# Allegro board 08_041351d.brd (continued)
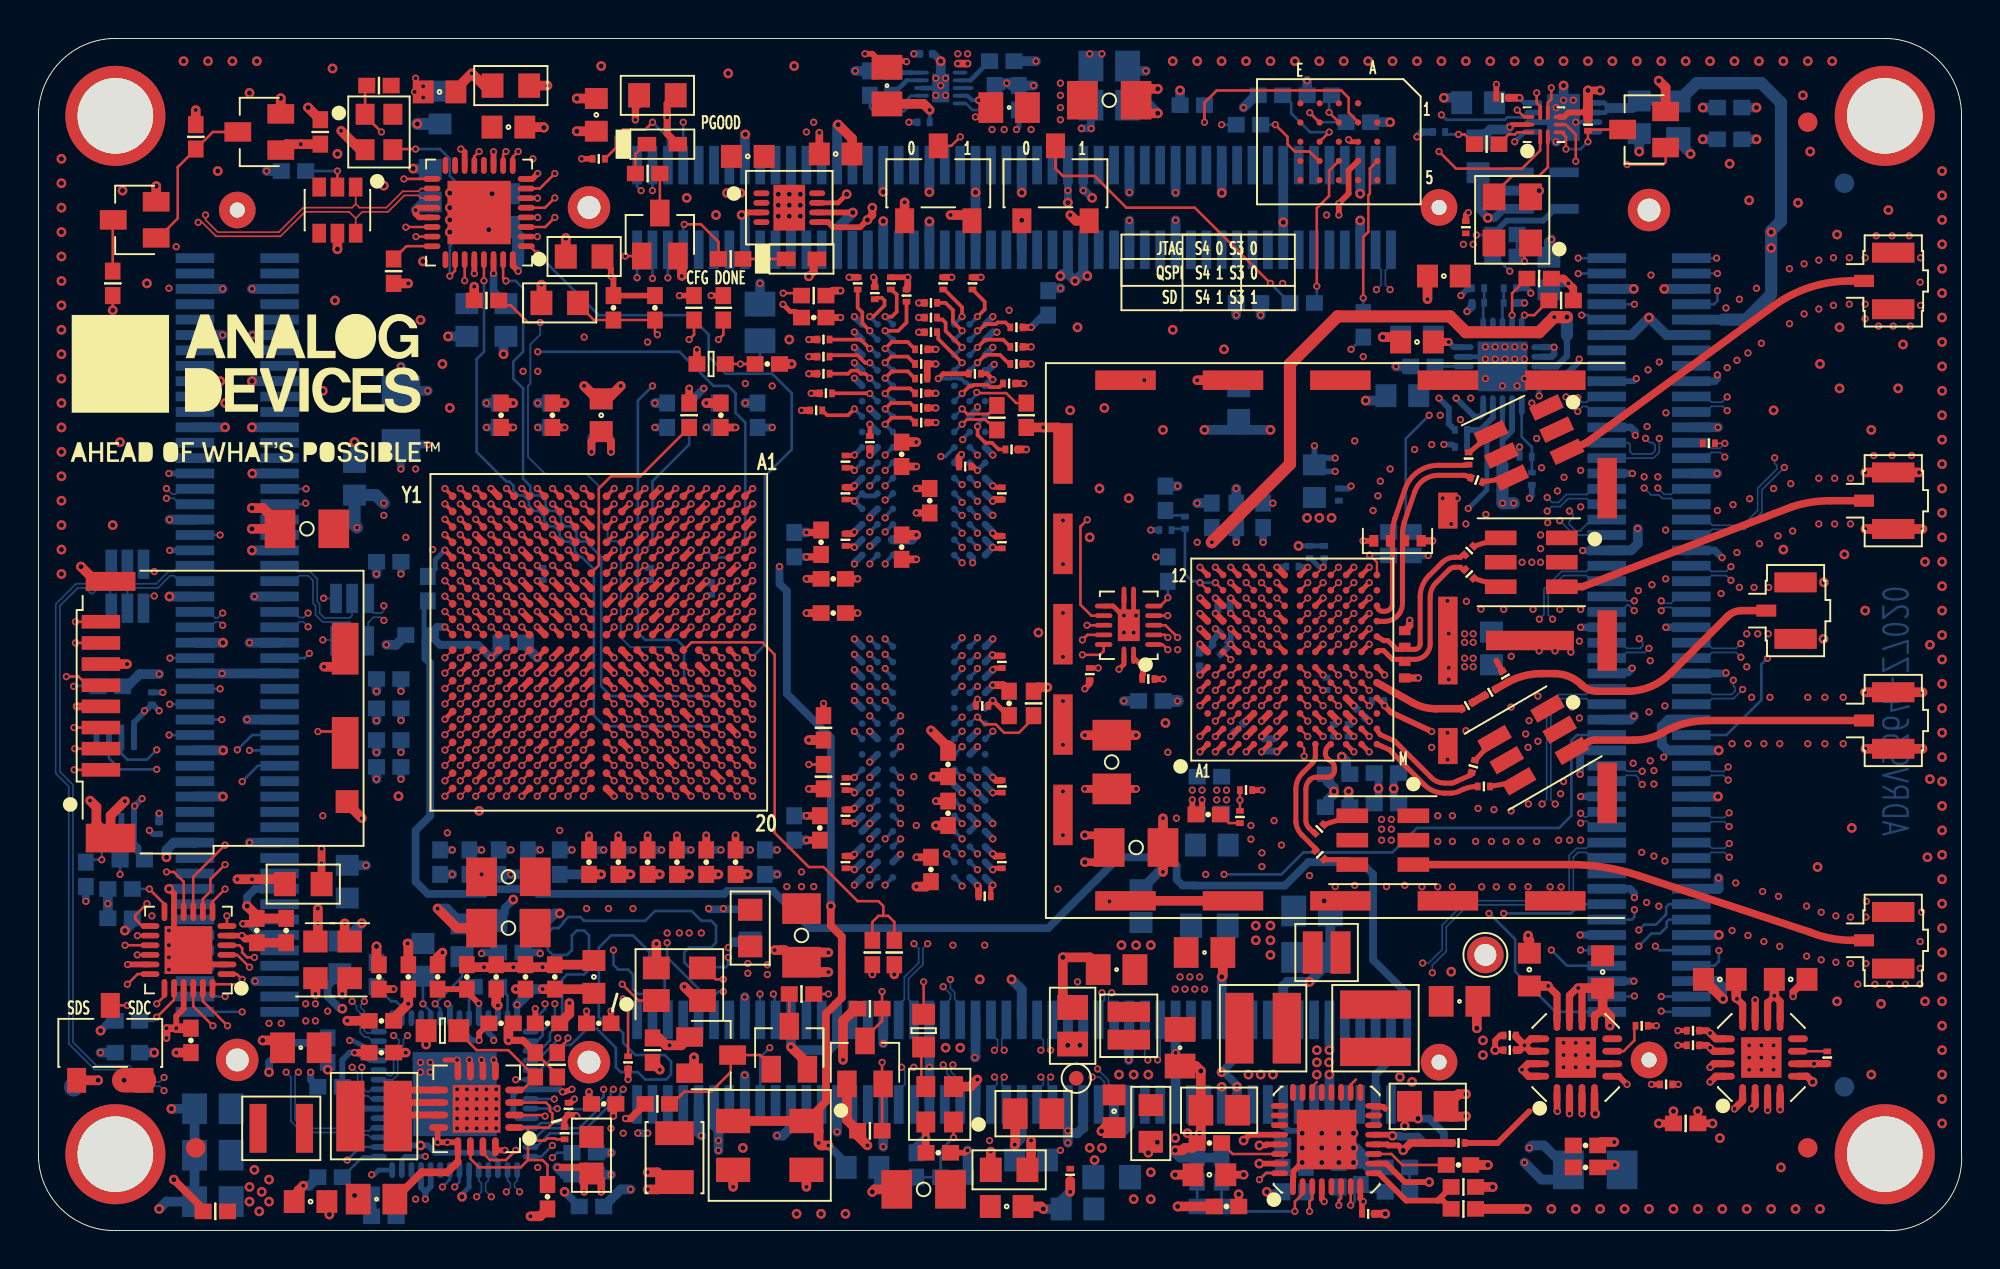
[diagram p0: board, top side]
## Routing (per net, layer and track width the routed paths; a pad name or vN(x,y) marks a point on that pad's centre or on a via; arc(x,y) is an arc through that point) (continued)
IO_L01_34_JX4_N: length 81.4
  TOP w0.089: U1.T10 v1(24.34,31.39)
  L4_SIGNAL w0.089: v1(87.81,42.64) 88.73,42.64 90.67,44.58 90.67,46.38 90.14,46.91 71.38,46.91 65.22,40.75 60.15,40.75 51.07,31.67 42.16,31.67 41.46,30.96 24.76,30.96 v1(24.34,31.39)
  BOTTOM w0.089: v1(87.81,42.64) 87.59,42.86 86.99,42.86 86.7,42.57 JX4.21
IO_L01_34_JX4_P: length 81.3
  TOP w0.089: U1.T11 v1(24.34,29.79)
  L4_SIGNAL w0.089: v1(87.81,43.35) 88.27,42.89 88.62,42.89 90.41,44.69 90.41,46.27 90.03,46.65 71.49,46.65 65.33,40.49 60.25,40.49 51.17,31.41 42.27,31.41 41.56,30.71 24.71,30.71 24.34,30.33 v1(24.34,29.79)
  BOTTOM w0.089: JX4.19 86.7,43.37 86.99,43.08 87.54,43.08 v1(87.81,43.35)
IO_L01_35_RX_D0_N: length 56.2
  TOP w0.089: U1.B20 v1(36.34,22.59) ; U17.K11 v1(68.4,33.69)
  L6_SIGNAL w0.089: v1(68.4,33.69) 68.79,34.09 68.79,35.31 67.67,36.43 58.31,36.43 57.98,36.09 57.59,36.09 55.55,34.05 55.55,28.47 51.04,23.96 51.04,18.59 48.76,16.3 41.12,16.3 39.91,17.51 36.99,17.51 36.32,18.17 36.32,19.93 35.87,20.39 35.87,20.86 36.34,21.33 v1(36.34,22.59)
IO_L01_35_RX_D0_P: length 56.2
  TOP w0.089: U1.C20 v1(35.54,22.59) ; U17.J12 v1(67.6,34.49)
  L6_SIGNAL w0.089: v1(35.54,22.59) 35.81,22.32 35.99,22.32 36.08,22.23 36.08,21.43 35.61,20.97 35.61,20.29 36.07,19.83 36.07,18.07 36.88,17.25 39.8,17.25 41.01,16.05 48.86,16.05 51.3,18.48 51.3,23.86 55.81,28.37 55.81,33.95 57.7,35.84 58.08,35.84 58.42,36.18 67.57,36.18 68.54,35.2 68.54,34.95 68.42,34.83 67.93,34.83 v1(67.6,34.49)
IO_L02_34_JX4_N: length 89.9
  TOP w0.089: U1.U12 v1(23.54,28.99)
  L15_SIGNAL w0.089: v1(80.04,42.6) 80.22,42.79 80.22,42.93 80.35,43.06 80.67,43.06 81.06,42.67 81.06,42.13 80.85,41.92 76.79,41.92 76.54,41.67 69.11,41.67 65.85,44.94 54.77,44.94 50.7,49 42.72,49 41.96,48.24 40.69,48.24 39.55,47.1 33.45,47.1 31.42,45.07 28.52,45.07 27.25,43.8 21.16,43.8 18.15,40.79 18.15,38.84 19.69,37.31 19.69,31.42 20.98,30.12 23,30.12 23.13,29.99 23.13,28.74 23.25,28.62 23.43,28.62 23.54,28.72 v1(23.54,28.99)
  BOTTOM w0.089: v1(80.04,42.6) 80.29,42.86 80.52,42.86 80.81,42.57 JX4.22
IO_L02_34_JX4_P: length 89.8
  TOP w0.089: U1.T12 v1(24.34,28.99)
  L15_SIGNAL w0.089: v1(80.04,43.31) 80.78,43.31 81.32,42.78 81.32,42.02 80.96,41.66 76.89,41.66 76.65,41.42 69.01,41.42 65.74,44.69 54.66,44.69 50.6,48.75 42.83,48.75 42.07,47.99 40.8,47.99 39.65,46.84 33.56,46.84 31.53,44.81 28.63,44.81 27.36,43.54 21.26,43.54 18.4,40.69 18.4,38.95 19.94,37.41 19.94,31.53 21.09,30.38 23.1,30.38 23.35,30.13 23.81,30.13 23.93,30.01 23.93,29.14 24.08,28.99 v1(24.34,28.99)
  BOTTOM w0.089: v1(80.04,43.31) 80.28,43.07 80.51,43.07 80.81,43.37 JX4.20
IO_L02_35_RX_D1_N: length 39.7
  TOP w0.089: U17.K10 v1(68.4,32.89) ; U1.A20 v1(37.14,22.59)
  L3_SIGNAL w0.089: v1(68.4,32.89) 68.4,32.62 68.27,32.49 67.39,32.49 67.17,32.28 67.17,30.27 66.92,30.02 66.39,30.02 64.76,28.39 64.76,27.98 64.51,27.73 60.24,27.73 59.98,27.98 55.24,27.98 51.77,24.52 44.41,24.52 43.63,25.29 42.45,25.29 40.62,23.47 37.59,23.47 37.47,23.35 37.47,23.25 37.27,23.05 36.98,23.05 36.89,22.96 36.89,22.84 v1(37.14,22.59)
IO_L02_35_RX_D1_P: length 39.8
  TOP w0.089: v1(36.34,23.39) U1.B19 ; U17.J11 v1(67.6,33.69)
  L3_SIGNAL w0.089: v1(67.6,33.69) 67.87,33.69 68,33.57 68,33.39 67.87,33.26 67.36,33.26 67.17,33.07 67.17,32.68 66.98,32.49 66.66,32.49 66.35,32.18 66.35,30.33 64.57,28.56 60.29,28.56 59.97,28.24 55.13,28.24 51.67,24.77 44.52,24.77 43.74,25.55 42.34,25.55 40.52,23.72 37,23.72 36.76,23.48 36.76,23.23 36.71,23.18 36.54,23.18 v1(36.34,23.39)
IO_L03_34_JX4_N: length 114.5
  TOP w0.089: U1.V13 v1(22.74,28.19)
  L15_SIGNAL w0.089: v1(87.69,40.23) 88.1,40.23 88.18,40.3 88.18,40.48 88.06,40.6 87.35,40.6 87.26,40.68 86.89,40.68 86.2,41.38 86.2,45.03 84.63,46.59 82.09,46.59 80.44,48.24 79.05,48.24 78.03,49.26 74.62,49.26 72.59,51.29 30.51,51.29 27.65,48.43 18.06,48.43 14.02,44.39 14.02,39.92 14.72,39.22 14.72,37.07 13.58,35.92 13.58,29.7 15.86,27.41 19.48,27.41 20.18,26.71 20.63,26.71 20.88,26.97 22.15,26.97 22.34,27.16 22.34,27.5 22.62,27.78 23.07,27.78 23.18,27.89 23.18,28.06 23.05,28.19 v1(22.74,28.19)
  BOTTOM w0.089: JX4.27 86.7,40.17 86.99,40.46 87.45,40.46 v1(87.69,40.23)
IO_L03_34_JX4_P: length 115.1
  TOP w0.089: v1(23.54,28.19) 23.59,28.24 U1.U13 ; R53.1 v1(87.69,40.94)
  L15_SIGNAL w0.089: v1(87.69,40.94) 87,40.94 86.45,41.49 86.45,45.13 84.74,46.84 82.2,46.84 80.55,48.5 79.15,48.5 78.14,49.51 74.73,49.51 72.7,51.54 30.41,51.54 27.55,48.69 17.96,48.69 13.77,44.5 13.77,39.82 14.47,39.12 14.47,37.17 13.32,36.03 13.32,29.59 15.76,27.16 19.38,27.16 20.08,26.46 20.63,26.46 20.88,26.21 22.18,26.21 22.37,26.4 22.37,26.83 22.51,26.97 22.94,26.97 23.17,27.2 23.17,27.5 23.54,27.87 v1(23.54,28.19)
  BOTTOM w0.089: JX4.25 86.71,40.97 87,40.68 87.43,40.68 v1(87.69,40.94)
IO_L03_35_RX_D2_N: length 44.5
  TOP w0.089: U17.K9 v1(68.4,32.09) ; U1.D18 v1(34.74,24.19)
  L7_SIGNAL w0.089: v1(34.74,24.19) 35.06,24.19 35.4,23.85 35.55,23.85 35.87,23.53 35.87,23.38 36.2,23.05 36.35,23.05 36.67,22.73 36.67,22.58 37,22.25 37.09,22.25 37.13,22.21 39.77,22.21 39.82,22.16 40.18,22.16 40.38,21.95 41.94,21.95 42.29,22.3 42.57,22.3 42.66,22.21 42.99,22.21 43.09,22.3 43.37,22.3 43.46,22.21 44.59,22.21 44.69,22.3 44.97,22.3 45.06,22.21 46.31,22.21 46.52,22 46.8,22 47.01,22.21 47.79,22.21 47.89,22.3 48.17,22.3 48.26,22.21 48.59,22.21 48.69,22.3 48.97,22.3 49.14,22.12 51.41,22.12 55.42,26.14 55.42,27.79 56.06,28.43 57.22,28.43 58.24,29.45 59.11,29.45 59.74,30.08 59.74,32.49 59.99,32.74 59.99,32.96 60.26,33.23 67.77,33.23 68,33 68,32.49 v1(68.4,32.09)
IO_L03_35_RX_D2_P: length 44.5
  TOP w0.089: U1.E17 v1(33.94,24.99) ; U17.J10 v1(67.6,32.89)
  L7_SIGNAL w0.089: v1(67.6,32.89) 67.62,32.87 67.62,32.62 67.49,32.49 66.6,32.49 66.54,32.56 65.84,32.56 65.42,32.98 64.89,32.98 64.73,32.82 64.73,32.75 64.54,32.56 60.17,32.56 60,32.39 60,29.98 59.21,29.19 58.35,29.19 57.33,28.18 56.16,28.18 55.68,27.69 55.68,26.04 51.51,21.87 49.21,21.87 48.91,21.57 42.34,21.57 42.22,21.7 40.28,21.7 40.07,21.91 39.71,21.91 39.67,21.95 37.03,21.95 36.98,22 36.89,22 36.66,22.23 36.21,22.23 35.87,22.58 35.87,22.73 35.55,23.05 35.4,23.05 35.07,23.38 35.07,23.53 34.75,23.85 34.6,23.85 34.28,24.17 34.28,24.81 34.1,24.99 v1(33.94,24.99)
IO_L04_34_JX4_N: length 98.7
  TOP w0.089: U1.W13 v1(21.94,28.19)
  L15_SIGNAL w0.089: v1(84.28,41.2) 84.28,42.28 83.72,42.83 82.48,42.83 80.62,44.69 78.23,44.69 76.96,43.42 75.34,43.42 72.8,45.96 69.56,45.96 67.15,48.37 52.76,48.37 50.92,50.21 41.54,50.21 39.06,47.73 30.85,47.73 29.14,46.02 27.59,46.02 26.95,46.65 23.61,46.65 21.52,44.56 19.31,44.56 17.07,42.31 17.07,36.05 16.63,35.61 16.63,30.67 18.17,29.13 20.37,29.13 20.92,28.58 21.54,28.58 v1(21.94,28.19)
  BOTTOM w0.089: v1(84.28,41.2) 84.28,40.47 83.98,40.17 JX4.28
IO_L04_34_JX4_P: length 98.7
  TOP w0.089: U1.V12 v1(22.74,28.99)
  L15_SIGNAL w0.089: v1(22.74,28.99) 22.34,29.38 18.28,29.38 16.88,30.78 16.88,35.5 17.32,35.94 17.32,42.21 19.42,44.3 21.62,44.3 23.72,46.4 26.85,46.4 27.48,45.76 29.24,45.76 30.96,47.48 39.17,47.48 41.64,49.96 50.81,49.96 52.65,48.11 67.04,48.11 69.46,45.7 72.7,45.7 75.24,43.16 77.07,43.16 78.34,44.43 80.52,44.43 82.37,42.58 83.62,42.58 84.02,42.17 84.02,41.51 83.9,41.39 83.76,41.39 v1(83.57,41.2)
  BOTTOM w0.089: v1(83.57,41.2) 83.78,40.98 83.92,40.98 84.06,40.84 84.06,40.56 83.89,40.39 82.88,40.39 82.76,40.51 82.76,40.88 82.67,40.97 JX4.26
IO_L04_35_RX_D3_N: length 43.9
  TOP w0.089: U17.K8 v1(68.4,31.29) ; U1.D20 v1(34.74,22.59)
  L3_SIGNAL w0.089: v1(68.4,31.29) 68.38,31.31 68.38,31.6 68.51,31.73 68.63,31.73 68.76,31.6 68.76,30.03 68.67,29.94 68.22,29.94 67.72,29.45 67.36,29.45 67.13,29.22 67.13,28.75 66.92,28.55 66.48,28.55 66.33,28.39 66.33,27.95 66.14,27.76 65.7,27.76 64.73,26.79 64.73,26.35 64.52,26.14 63.43,26.14 63.17,25.89 63.17,24.79 62.49,24.11 59.15,24.11 56.86,21.83 49.16,21.83 48.97,21.63 44.69,21.63 44.49,21.83 43.56,21.83 43.37,21.63 42.29,21.63 42.09,21.83 41.09,21.83 40.59,22.33 38.89,22.33 38.26,21.7 35.76,21.7 35.49,21.97 35.49,22.16 35.33,22.32 35.18,22.32 35.06,22.2 34.85,22.2 34.74,22.32 v1(34.74,22.59)
IO_L04_35_RX_D3_P: length 43.9
  TOP w0.089: U17.J9 v1(67.6,32.09) ; U1.D19 v1(34.74,23.39)
  L3_SIGNAL w0.089: v1(34.74,23.39) 35.16,22.97 35.75,22.97 35.94,22.78 35.94,22.46 35.74,22.26 35.74,22.08 35.87,21.95 38.15,21.95 38.79,22.59 40.69,22.59 41.2,22.08 42.06,22.08 42.29,22.3 44.97,22.3 45.16,22.1 45.16,22.02 45.25,21.93 47.51,21.93 47.89,22.3 48.98,22.3 49.2,22.08 56.76,22.08 59.04,24.37 62.16,24.37 62.41,24.62 62.41,26.58 62.66,26.83 64.41,26.83 65.33,27.75 65.33,28.18 65.71,28.56 66.14,28.56 66.33,28.75 66.33,29.18 66.85,29.7 67.62,29.7 68.06,30.14 68.06,31.63 v1(67.6,32.09)
IO_L05_34_JX4_N: length 91.3
  TOP w0.089: U1.T15 v1(24.34,26.59)
  L3_SIGNAL w0.089: v1(63.62,19.64) 63.41,19.44 63.41,19.31 63.29,19.18 62.68,19.18 62.23,18.73 62.23,17.73 61.95,17.44 56.63,17.44 55.48,16.29 32.11,16.29 31.8,15.98 25.16,15.98 23.7,17.44 23.7,22.14 23.94,22.38 23.94,26.79 24.1,26.95 24.27,26.95 24.34,26.89 v1(24.34,26.59)
  L13_SIGNAL w0.089: v1(63.62,19.64) 63.84,19.41 63.84,19.27 63.93,19.18 70.86,19.18 71.17,19.49 71.17,21.19 77.08,27.1 77.08,33.06 78.11,34.09 82.07,34.09 83.95,35.97 83.95,38.3 83.82,38.42 83.68,38.42 v1(83.49,38.61)
  BOTTOM w0.089: JX4.33 85.22,37.77 84.93,38.07 84.44,38.07 84.25,38.26 83.85,38.26 v1(83.49,38.61)
IO_L05_34_JX4_P: length 91.2
  TOP w0.089: U1.T14 v1(24.34,27.39)
  L3_SIGNAL w0.089: v1(63.62,18.93) 62.79,18.93 62.49,18.63 62.49,17.62 62.05,17.19 56.74,17.19 55.58,16.03 32.21,16.03 31.91,15.73 25.06,15.73 23.45,17.34 23.45,22.14 23.14,22.45 23.14,26.8 23.33,26.99 23.79,26.99 24.01,27.22 v1(24.34,27.39)
  L13_SIGNAL w0.089: v1(63.62,18.93) 70.97,18.93 71.43,19.39 71.43,21.09 77.33,26.99 77.33,32.96 78.21,33.84 82.17,33.84 84.2,35.87 v1(84.2,38.61)
  BOTTOM w0.089: JX4.31 85.19,38.57 84.9,38.28 84.53,38.28 v1(84.2,38.61)
IO_L05_35_RX_D4_N: length 41.2
  TOP w0.089: U1.E19 v1(33.94,23.39) ; U17.K7 v1(68.4,30.49)
  L4_SIGNAL w0.089: v1(33.94,23.39) 33.94,23.45 34.22,23.73 37.26,23.73 37.58,24.05 39.27,24.05 40.03,24.81 43.3,24.81 44.15,23.96 63.14,23.96 63.96,24.78 63.96,25.89 64.19,26.12 64.52,26.12 64.73,26.33 64.73,26.59 64.99,26.84 64.99,28.72 65.58,29.32 66.78,29.32 67.51,30.06 67.96,30.06 v1(68.4,30.49)
IO_L05_35_RX_D4_P: length 41.1
  TOP w0.089: U17.J8 v1(67.6,31.29) ; U1.E18 v1(33.94,24.19)
  L4_SIGNAL w0.089: v1(33.94,24.19) 33.94,24.21 34.34,24.62 37.26,24.62 37.58,24.3 39.16,24.3 39.93,25.06 43.4,25.06 44.25,24.21 63.03,24.21 63.25,24.43 63.25,25.82 63.46,26.03 63.61,26.03 64.03,26.46 64.03,26.65 64.21,26.83 64.44,26.83 64.73,27.12 64.73,28.83 65.48,29.57 66.67,29.57 67.26,30.16 67.26,30.96 v1(67.6,31.29)
IO_L06_13_JX2_P: length 59.2
  TOP w0.127: U1.V5 v1(22.74,35.39)
  L4_SIGNAL w0.095: v1(38.03,9.51) 38.03,9.7 36.25,11.47 36.25,13.06 35.29,14.01 35.29,15.35 34.79,15.86 33.45,15.86 33.07,16.24 32.12,16.24 31.29,15.41 26.09,15.41 25.2,16.3 17.58,16.3 17.39,16.49 15.48,16.49 13.51,18.46 13.51,33 15.55,35.03 22.4,35.03 22.74,35.36 v1(22.74,35.39)
  BOTTOM w0.14: JX2.18 37.53,9.01 v1(38.03,9.51)
IO_L06_34_JX4_N: length 80.2
  TOP w0.089: U1.R14 v1(25.14,27.39)
  L3_SIGNAL w0.089: v1(25.14,27.39) 25.14,27.35 24.74,26.96 24.74,23.98 24.93,23.79 25.34,23.79 25.54,23.6 25.54,21.12 26.44,20.22 27.98,20.22 29.12,19.08 40.3,19.08 42.09,17.29 50.64,17.29 51.62,18.27 54.89,18.27 55.71,19.08 58.91,19.08 60.38,20.56 62.84,20.56 v1(63.04,20.35)
  L13_SIGNAL w0.089: v1(63.04,20.35) 63.25,20.56 65.08,20.56 66.28,21.76 70.52,21.76 71.3,22.55 71.3,25.91 72.23,26.84 74.14,26.84 75.74,28.45 75.74,35.29 78.07,37.62 78.25,37.62 v1(78.45,37.42)
  BOTTOM w0.089: JX4.34 80.79,37.77 80.5,38.06 79.54,38.06 79.12,37.65 78.69,37.65 v1(78.45,37.42)
IO_L06_34_JX4_P: length 80.2
  TOP w0.089: U1.P14 v1(25.94,27.39)
  L3_SIGNAL w0.089: v1(25.94,27.39) 25.54,26.99 25.54,23.98 25.71,23.81 26.14,23.81 26.34,23.61 26.34,22.33 26.19,22.18 25.93,22.18 25.8,22.04 25.8,21.23 26.55,20.47 28.09,20.47 29.22,19.34 40.4,19.34 42.19,17.55 50.53,17.55 51.51,18.52 54.79,18.52 55.6,19.34 58.8,19.34 60.28,20.81 62.79,20.81 v1(63.04,21.06)
  L13_SIGNAL w0.089: v1(78.45,38.13) 78.19,37.87 77.97,37.87 75.49,35.39 75.49,28.56 74.03,27.1 72.12,27.1 71.05,26.02 71.05,22.65 70.41,22.02 66.18,22.02 64.97,20.81 63.3,20.81 v1(63.04,21.06)
  BOTTOM w0.089: JX4.32 80.81,38.57 80.51,38.28 79.45,38.28 79.03,37.87 78.71,37.87 v1(78.45,38.13)
IO_L06_35_RX_D5_N: length 46.3
  TOP w0.089: U17.J7 v1(67.6,30.49) ; v1(33.14,24.99) U1.F17
  L7_SIGNAL w0.089: v1(67.6,30.49) 67.18,30.08 65.82,30.08 65.56,29.83 63.28,29.83 63.02,29.57 62.35,29.57 62.14,29.36 61.86,29.36 61.64,29.57 60.48,29.57 57.96,27.05 57.96,25.02 54.77,21.83 53.27,21.83 51.61,20.17 50.15,20.17 50,20.03 47.89,20.03 47.74,20.17 45.14,20.17 44.99,20.03 43.09,20.03 42.94,20.17 42.19,20.17 41.56,19.54 39.55,19.54 38.03,21.06 36.37,21.06 35.87,21.57 33.6,21.57 32.8,22.37 32.8,24.51 32.69,24.62 32.69,24.87 32.82,25 33.12,25 v1(33.14,24.99)
IO_L06_35_RX_D5_P: length 46.2
  TOP w0.089: U17.H8 v1(66.8,31.29) ; v1(33.14,25.79) U1.F16
  L7_SIGNAL w0.089: v1(33.14,25.79) 33.17,25.79 33.58,25.38 33.58,22.46 33.45,22.33 33.45,22.08 33.71,21.83 35.97,21.83 36.48,21.32 38.13,21.32 39.65,19.79 41.45,19.79 42.09,20.43 42.81,20.43 43.09,20.7 44.99,20.7 45.26,20.43 47.61,20.43 47.89,20.7 49.82,20.7 50.09,20.43 51.51,20.43 53.16,22.08 54.66,22.08 57.71,25.13 57.71,27.16 60.38,29.83 61.65,29.83 61.86,30.03 62.14,30.03 62.34,29.83 62.92,29.83 63.17,30.08 65.46,30.08 65.65,30.27 65.65,30.67 65.89,30.91 66.41,30.91 v1(66.8,31.29)
IO_L07_34_JX4_N: length 131.8
  TOP w0.089: v1(21.14,24.99) 21.14,24.99 21.54,25.38 U1.Y17
  L15_SIGNAL w0.089: v1(21.14,24.99) 20.14,24.99 19.5,25.64 16.18,25.64 12.56,29.25 12.56,47.1 16.75,51.29 24.67,51.29 25.62,50.34 27.87,50.34 30.66,53.13 34,53.13 34.89,52.24 40.12,52.24 40.63,52.75 40.63,54.02 41.64,55.04 84.82,55.04 90.35,49.51 90.35,46.97 91.37,45.96 91.37,40.27 v1(90.78,39.68)
  BOTTOM w0.089: JX4.37 86.74,36.17 87.03,36.46 88.72,36.46 89.61,37.36 89.61,38.52 v1(90.78,39.68)
IO_L07_34_JX4_P: length 131.9
  TOP w0.089: U1.Y16 v1(21.14,25.79)
  L15_SIGNAL w0.089: v1(90.28,40.19) 90.57,40.19 90.66,40.1 90.83,40.1 91.11,40.38 91.11,45.85 90.1,46.87 90.1,49.41 84.72,54.78 41.75,54.78 40.88,53.91 40.88,52.64 40.23,51.99 34.79,51.99 33.9,52.88 30.76,52.88 27.97,50.08 25.52,50.08 24.56,51.04 16.86,51.04 12.82,46.99 12.82,29.36 16.29,25.89 19.6,25.89 20.25,25.24 20.78,25.24 20.93,25.39 21.44,25.39 21.55,25.51 21.55,25.69 21.45,25.79 v1(21.14,25.79)
  BOTTOM w0.089: v1(90.28,40.19) 90.28,39.9 90.39,39.78 90.39,39.6 89.4,38.61 89.4,37.45 88.63,36.68 87.04,36.68 86.75,36.97 JX4.35
IO_L07_35_RX_FRAME_N: length 71.1
  TOP w0.089: U1.M20 v1(27.54,22.59) ; U17.G7 v1(66,30.49)
  L12_SIGNAL w0.089: v1(27.54,22.59) 27.48,22.64 27.48,22.84 27.87,23.22 27.99,23.22 28.12,23.1 28.12,22.85 27.99,22.72 27.99,22.46 27.74,22.21 27.61,22.21 27.45,22.05 27.45,21.58 28.12,20.91 28.12,20.56 30.79,17.89 33.43,17.89 34.51,16.81 34.51,16.61 34.71,16.41 34.91,16.41 35.97,15.35 36.73,15.35 37.56,14.52 37.56,13.12 37.75,12.94 41.73,12.94 43.25,14.46 52.27,14.46 52.86,15.04 54.97,15.04 57.3,17.38 65.93,17.38 68.4,19.84 70.72,19.84 71.68,20.8 71.68,27.67 70.33,29.01 70.33,29.03 70.14,29.23 67.03,29.23 66.82,29.23 66.22,29.83 65.71,29.83 65.58,29.95 65.58,30.33 65.71,30.46 65.97,30.46 v1(66,30.49)
IO_L07_35_RX_FRAME_P: length 71.1
  TOP w0.089: U1.M19 v1(27.54,23.39) ; U17.G8 v1(66,31.29)
  L12_SIGNAL w0.089: v1(66,31.29) 66.02,31.29 66.46,30.85 66.46,30.35 66.47,30.34 66.47,29.93 66.92,29.48 70.24,29.48 70.59,29.14 70.59,29.12 71.93,27.77 71.93,20.69 70.83,19.59 68.5,19.59 66.04,17.13 57.41,17.13 55.07,14.79 52.96,14.79 52.38,14.21 43.36,14.21 41.84,12.68 37.64,12.68 37.31,13.02 37.31,14.41 36.63,15.09 35.87,15.09 34.81,16.16 34.61,16.16 34.26,16.5 34.26,16.7 33.33,17.63 30.68,17.63 27.87,20.45 27.87,20.81 27.2,21.48 27.2,23.06 27.52,23.39 v1(27.54,23.39)
IO_L08_34_JX4_N: length 113.8
  TOP w0.089: U1.Y14 v1(21.14,27.39)
  L15_SIGNAL w0.089: v1(79.1,36.92) 79.26,36.76 79.72,36.3 80.29,36.3 80.82,36.83 80.82,38.46 82.27,39.91 84.76,39.91 85.42,40.57 85.42,42.84 84.49,43.77 82.73,43.77 79.53,46.97 73.97,46.97 73.08,47.86 73.08,49.77 72,50.84 31.55,50.84 28.63,47.92 21.41,47.92 19.67,46.18 17.32,46.18 15.29,44.16 15.29,29.13 15.93,28.49 19.82,28.49 20.79,27.53 v1(21.14,27.39)
  BOTTOM w0.089: JX4.38 79.85,36.17 v1(79.1,36.92)
IO_L08_34_JX4_P: length 113.7
  TOP w0.089: U1.W14 v1(21.94,27.39)
  L15_SIGNAL w0.089: v1(79.61,37.42) 79.79,37.24 79.79,37.06 79.64,36.91 79.64,36.73 79.82,36.56 80.19,36.56 80.57,36.94 80.57,38.57 82.17,40.16 84.66,40.16 85.17,40.68 85.17,42.73 84.38,43.52 82.63,43.52 79.43,46.72 73.86,46.72 72.82,47.76 72.82,49.66 71.89,50.59 31.65,50.59 28.73,47.67 21.52,47.67 19.77,45.93 17.42,45.93 15.55,44.05 15.55,29.23 16.03,28.75 19.93,28.75 20.89,27.78 21.81,27.78 21.94,27.65 v1(21.94,27.39)
  BOTTOM w0.089: JX4.36 80.74,36.97 80.16,36.39 79.94,36.39 79.6,36.73 79.6,36.87 79.79,37.06 79.79,37.24 v1(79.61,37.42)
IO_L08_35_FB_CLK_N: length 66.4
  TOP w0.089: U17.G10 v1(66,32.89) ; U1.M18 v1(27.54,24.19)
  L6_SIGNAL w0.089: v1(66,32.89) 65.33,32.23 65.33,18.8 63.76,17.23 57.61,17.23 51.29,10.9 35.56,10.9 34.39,12.07 34.39,12.87 33.59,13.67 32.36,13.67 31.42,14.61 31.42,16.75 29.77,18.4 29.77,19.92 28.78,20.91 28.78,23.65 28.65,23.78 28.15,23.78 28,23.93 28,24.06 27.87,24.19 v1(27.54,24.19)
IO_L08_35_FB_CLK_P: length 66.3
  TOP w0.089: U1.M17 v1(27.54,24.99) ; U17.F10 v1(64.4,32.89)
  L6_SIGNAL w0.089: v1(64.4,32.89) 65.08,32.21 65.08,18.9 63.65,17.48 57.51,17.48 51.18,11.16 35.66,11.16 34.65,12.17 34.65,12.97 33.69,13.93 32.46,13.93 31.68,14.71 31.68,16.85 30.02,18.5 30.02,20.03 29.03,21.02 29.03,24.12 28.58,24.58 27.94,24.58 v1(27.54,24.99)
IO_L09_34_JX4_N: length 89.2
  TOP w0.089: U1.U17 v1(23.54,24.99)
  L7_SIGNAL w0.089: v1(23.54,24.99) 23.86,24.99 24.32,24.52 24.47,24.52 24.8,24.2 24.8,24.05 25.12,23.72 25.27,23.72 25.6,23.4 25.6,22.33 25.69,22.24 25.69,22.06 25.33,21.7 25.33,19.31 27.74,16.89 27.74,16.26 28.14,15.86 35.51,15.86 36.4,14.97 38.79,14.97 39.93,13.82 50.73,13.82 51.23,13.32 58.32,13.32 58.83,13.82 62.16,13.82 62.79,13.19 65.03,13.19 69.37,17.53 69.37,17.99 72,20.62 72,21.89 73.59,23.48 77.71,23.48 80,25.76 84.19,25.76 85.46,27.03 85.46,32.62 87.11,34.27 87.69,34.27 87.78,34.18 87.78,34.04 v1(88.01,33.82)
  BOTTOM w0.089: JX4.43 86.7,33.77 86.99,34.06 87.76,34.06 v1(88.01,33.82)
IO_L09_34_JX4_P: length 89.3
  TOP w0.089: U1.T16 v1(24.34,25.79)
  L7_SIGNAL w0.089: v1(24.34,25.79) 24.34,25.46 24.8,25 24.8,24.85 25.12,24.52 25.27,24.52 25.6,24.2 25.6,24.05 25.92,23.72 26.07,23.72 26.4,23.4 26.4,22.52 25.94,22.06 25.94,21.96 25.58,21.59 25.58,19.41 27.99,17 27.99,16.36 28.25,16.11 35.61,16.11 36.5,15.22 38.89,15.22 40.04,14.08 50.83,14.08 51.34,13.57 58.22,13.57 58.73,14.08 62.26,14.08 62.9,13.44 64.92,13.44 69.11,17.63 69.11,18.09 71.74,20.72 71.74,21.99 73.48,23.73 77.61,23.73 79.89,26.02 84.08,26.02 85.21,27.14 85.21,32.73 87.01,34.53 v1(88,34.53)
  BOTTOM w0.089: v1(88.01,34.53) 87.76,34.28 86.99,34.28 86.7,34.57 JX4.41
IO_L09_35_TX_FRAME_N: length 64.9
  TOP w0.089: U17.H9 v1(66.8,32.09) ; U1.L20 v1(28.34,22.59)
  L7_SIGNAL w0.089: v1(28.34,22.59) 28.33,22.59 27.99,22.59 27.87,22.46 27.87,22.21 27.99,22.08 28.52,22.08 28.67,21.93 28.67,21.15 29.73,20.09 29.73,18.44 30.99,17.18 35.94,17.18 37.52,15.6 58.01,15.6 59.03,16.62 65.27,16.62 69.04,20.39 69.04,23.59 70.85,25.4 70.85,30.72 70.16,31.41 69.65,31.41 69.33,31.73 67.43,31.73 67.06,32.09 v1(66.8,32.09)
IO_L09_35_TX_FRAME_P: length 65
  TOP w0.089: U17.G9 v1(66,32.09) ; U1.L19 v1(28.34,23.39)
  L7_SIGNAL w0.089: v1(66,32.09) 66.42,31.67 67.04,31.67 67.17,31.54 67.17,31.16 67.43,30.91 69.39,30.91 69.65,31.16 70.05,31.16 70.6,30.61 70.6,25.51 68.79,23.69 68.79,20.5 65.16,16.87 58.93,16.87 57.91,15.86 37.62,15.86 36.05,17.43 31.09,17.43 29.98,18.55 29.98,20.2 28.92,21.26 28.92,22.8 v1(28.34,23.39)
IO_L10_34_JX4_N: length 116
  TOP w0.089: U1.W15 v1(21.94,26.59)
  L12_SIGNAL w0.089: v1(78.73,31.79) 78.54,31.6 78.54,31.35 78.67,31.22 79.05,31.22 79.49,31.67 79.49,33.57 81.08,35.16 85.84,35.16 86.29,34.72 86.29,23.79 82.6,20.11 82.6,14.94 81.56,13.9 78.87,13.9 76.38,11.41 58.07,11.41 57.18,10.52 47.37,10.52 45.98,9.13 42.93,9.13 41.79,7.98 38.51,7.98 37.72,8.77 35.02,8.77 31.7,12.09 31.7,12.66 30.79,13.57 28.88,13.57 27.61,14.84 23.57,14.84 22.15,16.26 22.15,20.32 21.77,20.7 21.77,22.21 21.52,22.46 21.52,26.14 21.94,26.56 v1(21.94,26.59)
  BOTTOM w0.089: v1(78.73,31.79) 78.5,32.02 78.5,33.27 79.3,34.06 80.5,34.06 80.79,33.77 JX4.44
IO_L10_34_JX4_P: length 116.2
  TOP w0.089: U1.V15 v1(22.74,26.59)
  L12_SIGNAL w0.089: v1(22.74,26.59) 22.55,26.78 22.4,26.78 22.28,26.65 22.28,26.02 22.4,25.89 22.4,22.53 22.02,22.15 22.02,20.81 22.4,20.43 22.4,16.36 23.67,15.09 27.72,15.09 28.99,13.82 30.89,13.82 31.95,12.76 31.95,12.2 35.13,9.02 37.83,9.02 38.61,8.24 41.68,8.24 42.83,9.38 45.87,9.38 47.27,10.78 57.08,10.78 57.96,11.67 76.27,11.67 78.76,14.15 81.46,14.15 82.35,15.04 82.35,20.22 86.03,23.9 86.03,34.61 85.74,34.91 81.18,34.91 79.74,33.47 79.74,31.56 79.15,30.97 78.56,30.97 78.28,31.25 78.28,31.55 v1(78.04,31.79)
  BOTTOM w0.089: JX4.42 80.78,34.57 80.49,34.28 79.21,34.28 78.28,33.36 78.28,32.04 v1(78.04,31.79)
IO_L10_35_ENABLE: length 54.8
  TOP w0.127: U17.G6 v1(66,28.89) ; U1.K19 v1(29.94,23.39)
  L7_SIGNAL w0.095: v1(29.94,23.39) 29.52,22.97 29.52,21.83 30.52,20.82 30.52,19.17 30.79,18.9 34.34,18.9 35.23,18.02 36.5,18.02 38.15,16.36 41.39,16.36 42.03,17 54.03,17 56.38,19.35 56.38,20.11 60,23.73 66.03,23.73 67.49,25.19 67.87,25.19 68,25.32 68,29.13 67.81,29.32 66.42,29.32 v1(66,28.89)
IO_L10_35_SYNC_IN: length 49.1
  TOP w0.127: U17.H5 v1(66.8,28.09) ; U1.J19 v1(30.74,23.39)
  L7_SIGNAL w0.095: v1(66.8,28.09) 67.24,27.66 67.24,25.44 65.93,24.14 59.9,24.14 55.93,20.17 55.93,19.41 53.9,17.38 40.82,17.38 40.25,16.81 38.09,16.81 36.03,18.86 35.4,18.86 34.98,19.29 32.22,19.29 31.28,20.23 31.28,20.82 30.28,21.83 30.28,22.97 30.7,23.39 v1(30.74,23.39)
IO_L11_35_EN_AGC: length 54.6
  TOP w0.127: U17.G5 v1(66,28.09) ; U1.L16 v1(28.34,25.79)
  L13_SIGNAL w0.095: v1(28.34,25.79) 28.6,25.79 29.77,24.62 36.5,24.62 36.8,24.32 36.8,24.05 36.99,23.85 37.27,23.85 38.03,23.1 38.03,22.46 39.55,20.94 41.2,20.94 41.45,20.68 43.06,20.68 43.09,20.7 48.59,20.7 48.71,20.83 48.97,20.83 49.17,21.02 49.17,21.28 51.93,24.04 51.93,29.75 52.76,30.58 52.76,30.97 53.77,31.99 55.68,31.99 56.19,32.49 57.46,32.49 58.47,31.48 59.73,31.48 60.38,30.83 62.14,30.83 62.46,30.51 62.46,30.35 62.66,30.15 62.72,30.15 63.17,29.7 63.17,27.03 63.37,26.83 64.74,26.83 v1(66,28.09)
IO_L11_35_TXNRX: length 54.5
  TOP w0.127: U17.H4 v1(66.8,27.29) ; U1.L17 v1(28.34,24.99)
  L13_SIGNAL w0.095: v1(28.34,24.99) 28.66,24.99 29.79,23.85 36.38,23.85 36.8,23.44 36.8,23.25 36.99,23.05 37.18,23.05 37.64,22.59 37.64,22.46 39.59,20.51 39.59,20.16 39.79,19.96 40.14,19.96 40.44,19.67 41.2,19.67 41.46,19.93 48.45,19.93 49.22,20.7 49.81,20.7 51.49,22.38 51.49,23.22 52.5,24.24 52.5,27.1 52.93,27.53 52.93,30.26 53.77,31.1 55.3,31.1 55.68,31.48 57.71,31.48 58.01,31.18 59.37,31.18 59.57,30.98 59.57,30.76 60.25,30.08 60.25,29.52 60.74,29.03 60.74,28.83 61.14,28.43 61.34,28.43 61.54,28.23 61.54,28.03 61.94,27.63 62.14,27.63 62.34,27.43 62.34,27.23 62.74,26.83 62.94,26.83 63.14,26.63 63.14,26.43 63.43,26.14 64.82,26.14 65.58,26.91 66.41,26.91 v1(66.8,27.29)
IO_L11_SRCC_13_JX2_N: length 47.4
  TOP w0.089: U1.V7 v1(22.74,33.79)
  L15_SIGNAL w0.089: v1(22.74,33.79) 23.04,33.79 23.43,33.4 23.67,33.4 23.93,33.14 23.93,32.85 24.16,32.62 24.5,32.62 24.8,32.32 24.8,32.05 25.05,31.79 29.2,31.79 29.33,31.67 29.33,21.97 31.42,19.88 31.42,14.67 32,14.09 34.45,14.09 35.58,15.22 41.38,15.22 42.55,14.05 45.91,14.05 46.24,14.38 v1(46.24,14.92)
  BOTTOM w0.089: JX2.37 45.53,11.73 45.24,12.02 45.24,13.09 45.99,13.84 45.99,14.67 v1(46.24,14.92)
IO_L11_SRCC_13_JX2_P: length 47.3
  TOP w0.089: U1.U7 23.93,33.39 v1(23.53,33.79)
  L15_SIGNAL w0.089: v1(23.53,33.79) 23.54,33.78 23.83,33.78 23.92,33.69 23.92,33.53 24.07,33.38 24.44,33.38 24.63,33.57 24.81,33.57 24.91,33.47 24.91,33.29 24.73,33.1 24.73,32.76 24.93,32.56 28.58,32.56 28.75,32.38 28.75,32.14 28.84,32.05 29.3,32.05 29.58,31.77 29.58,22.08 31.68,19.98 31.68,14.78 32.11,14.35 34.34,14.35 35.47,15.48 41.48,15.48 42.65,14.31 44.66,14.31 44.88,14.52 45.12,14.52 45.34,14.31 45.81,14.31 45.98,14.48 45.98,14.62 45.85,14.75 45.69,14.75 v1(45.52,14.92)
  BOTTOM w0.089: JX2.35 44.73,11.73 45.02,12.02 45.02,13.18 45.77,13.93 45.77,14.67 v1(45.52,14.92)
IO_L11_SRCC_34_JX4_N: length 94.1
  TOP w0.089: v1(23.54,26.59) U1.U15
  L12_SIGNAL w0.089: v1(84.38,32.24) 84.25,32.37 83.92,32.37 83.8,32.24 83.8,31.47 84.57,30.69 84.57,29.53 81.54,26.5 81.54,18.37 75.6,12.43 69.01,12.43 68,13.44 63.57,13.44 63.07,13.95 58.58,13.95 56.01,11.39 45.57,11.39 44.71,10.52 34.85,10.52 29.77,15.6 24.58,15.6 23.42,16.77 23.42,22.21 23.17,22.46 23.17,26.65 23.29,26.78 23.35,26.78 v1(23.54,26.59)
  BOTTOM w0.089: JX4.47 85.12,32.17 84.89,32.4 84.55,32.4 v1(84.38,32.24)
